# Altium PCB CryptUS_RevB_PCB.PcbDoc (part 1 of 3)
Units mil, origin at the board's own origin, x right, y up, seen from the top; angles counter-clockwise.
Board outline 3937.01 x 3937.01 mil, 8 copper layers (Top Layer, GND 1, Signal 1, GND 2, Signal 2, PWR, GND 3, Bottom Layer), stack 59.978 mil thick; 196 components, 53 nets, 984 pads, 1003 vias.
Unrouted connection lines stored in the file: 186.
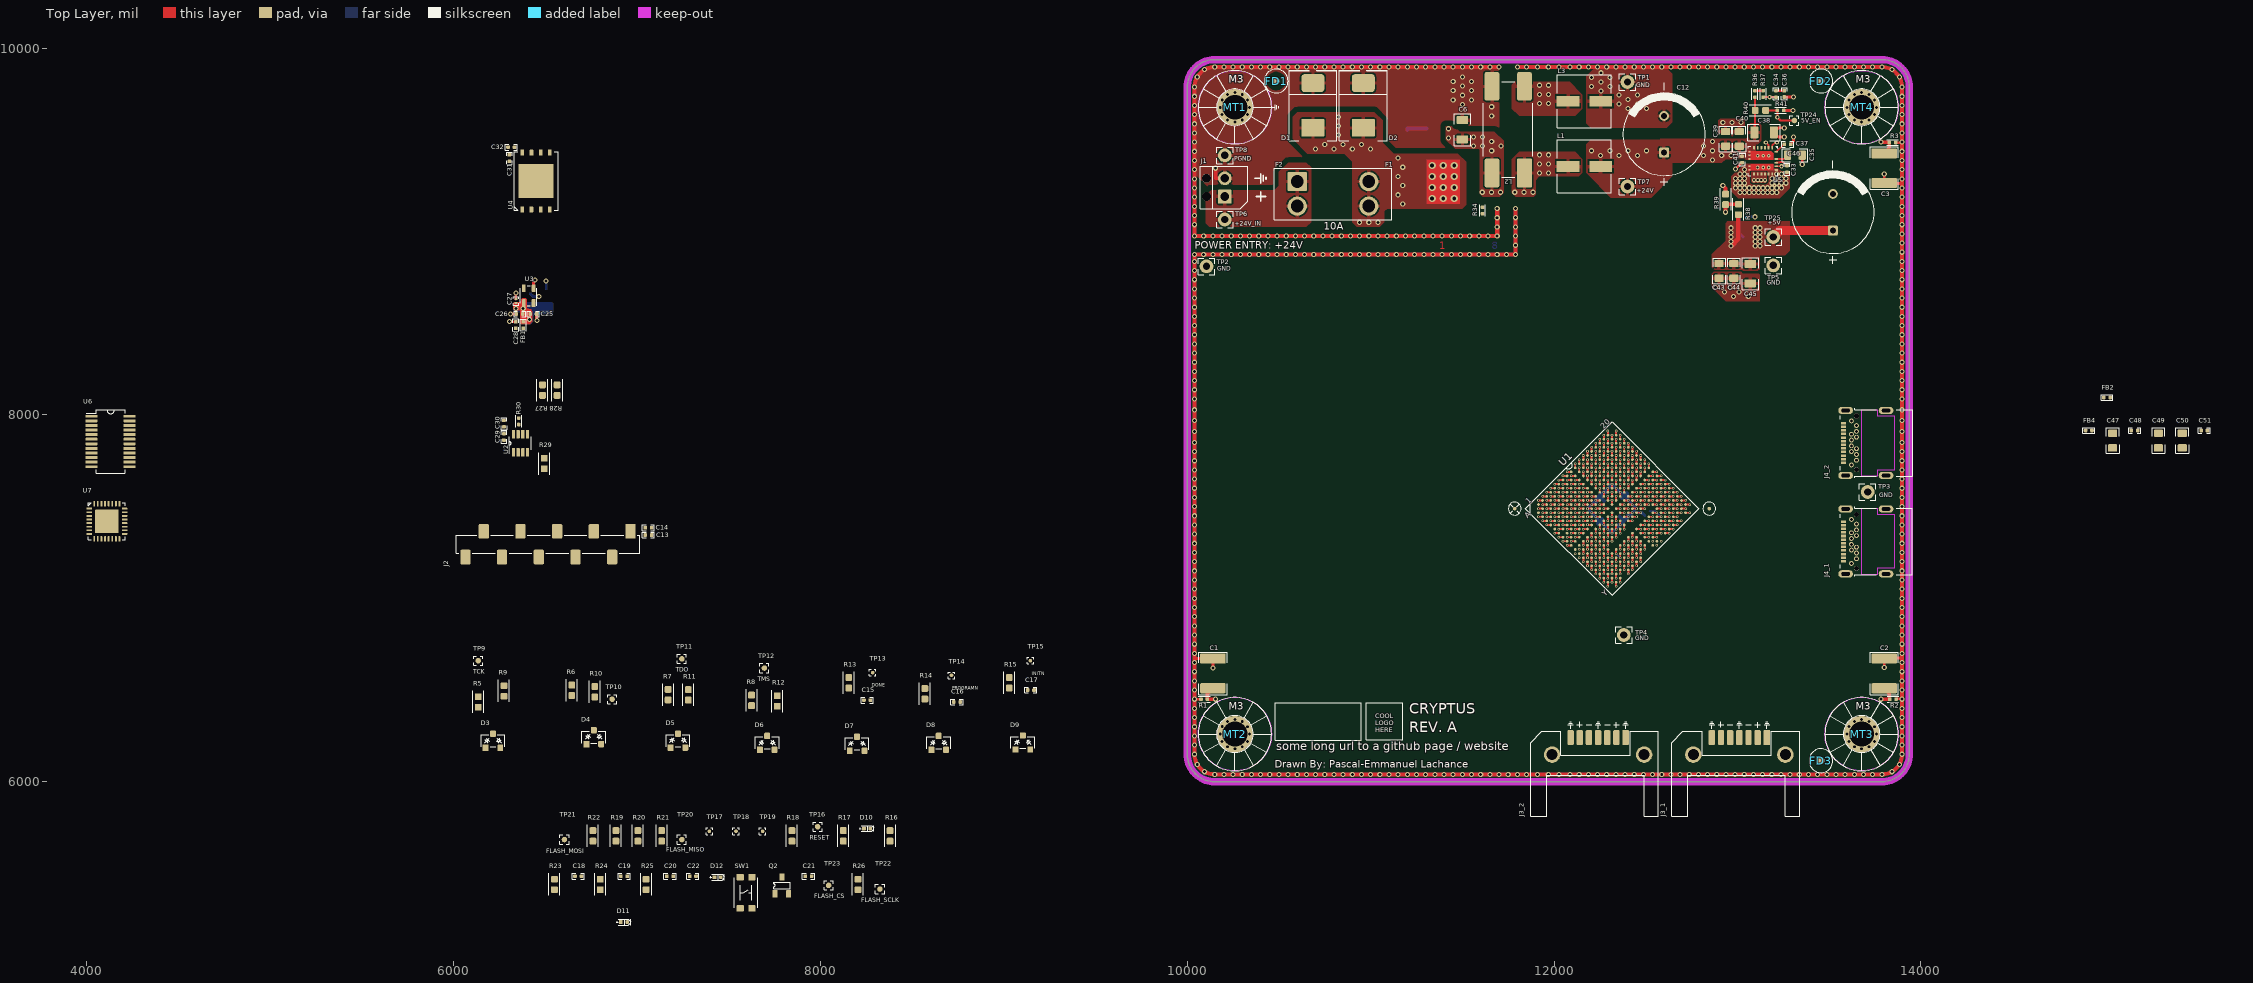
[diagram p0: Top Layer view]
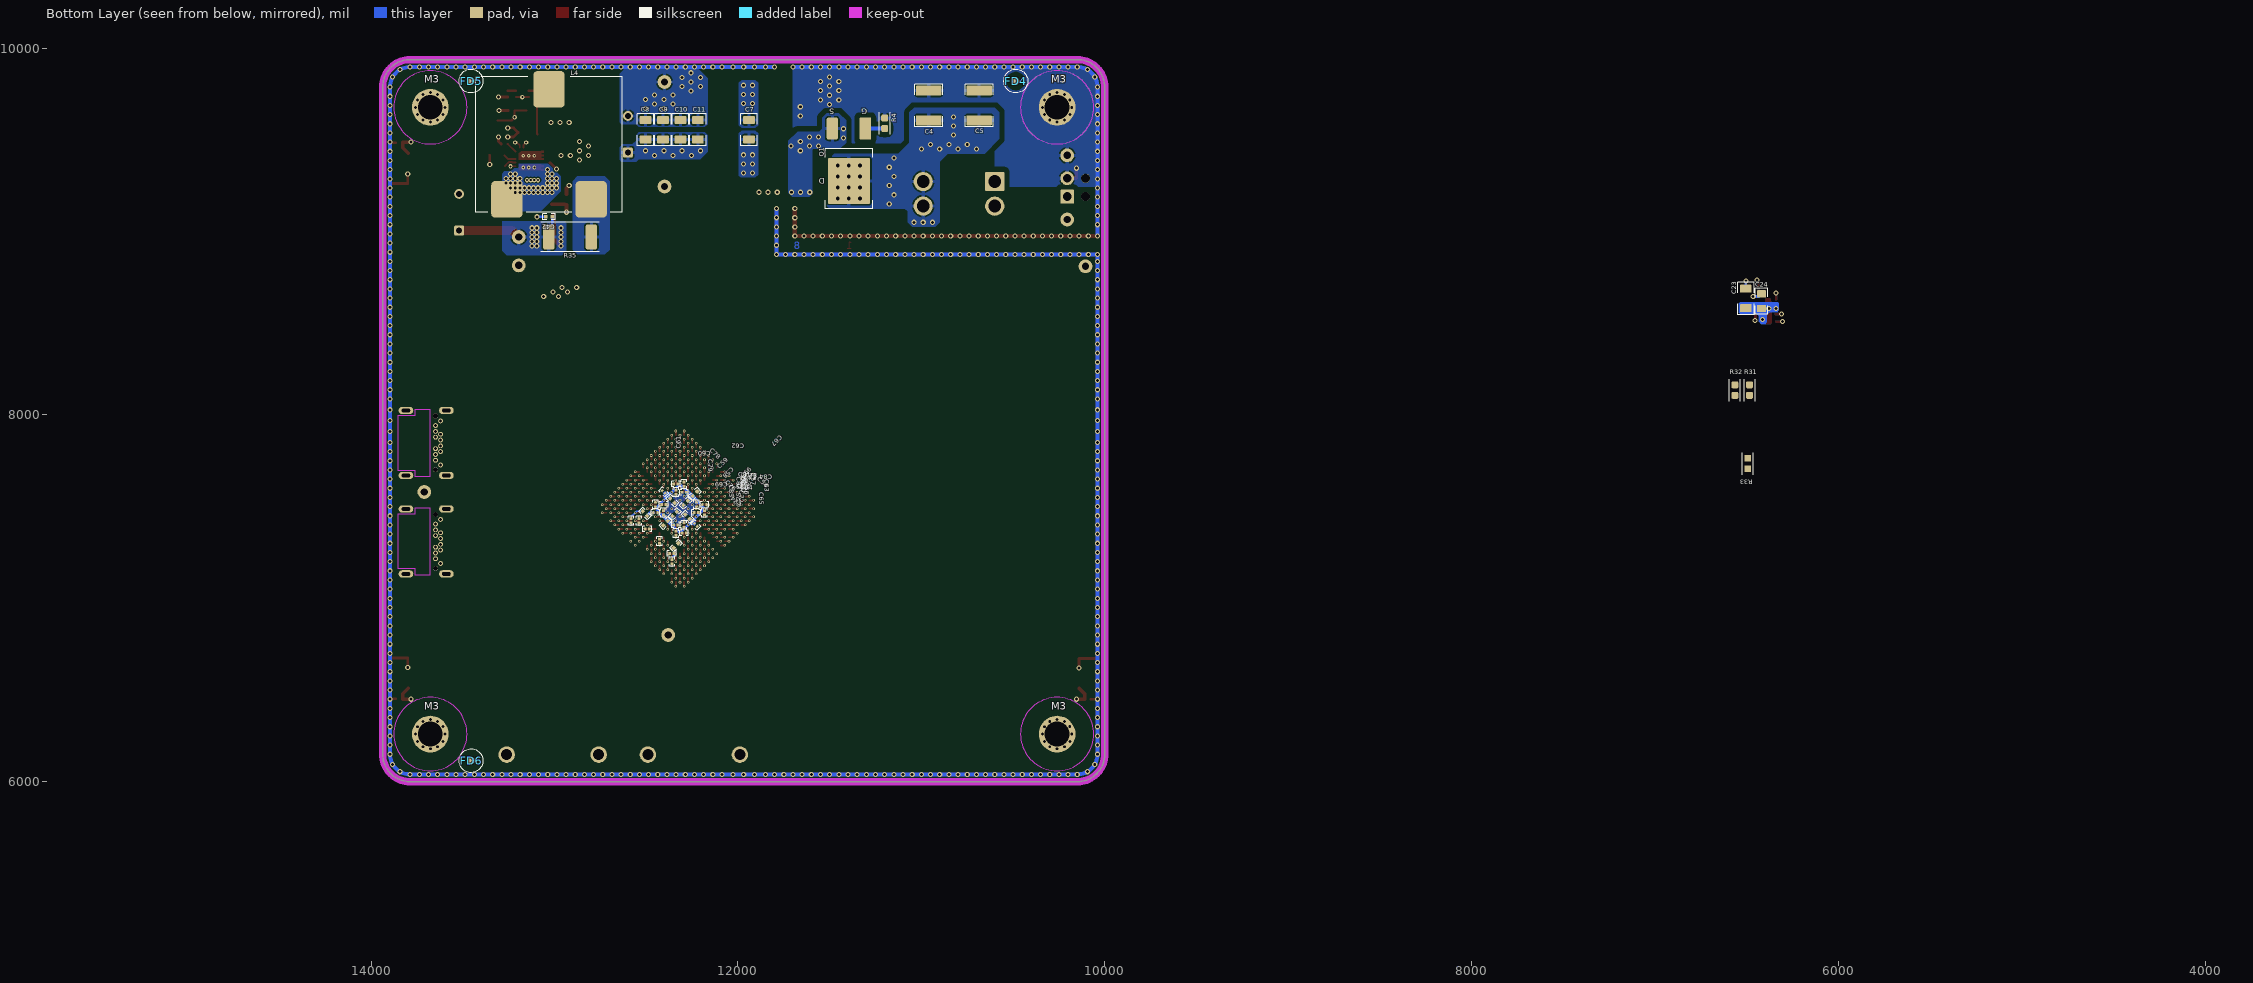
[diagram p1: Bottom Layer view, seen from below]
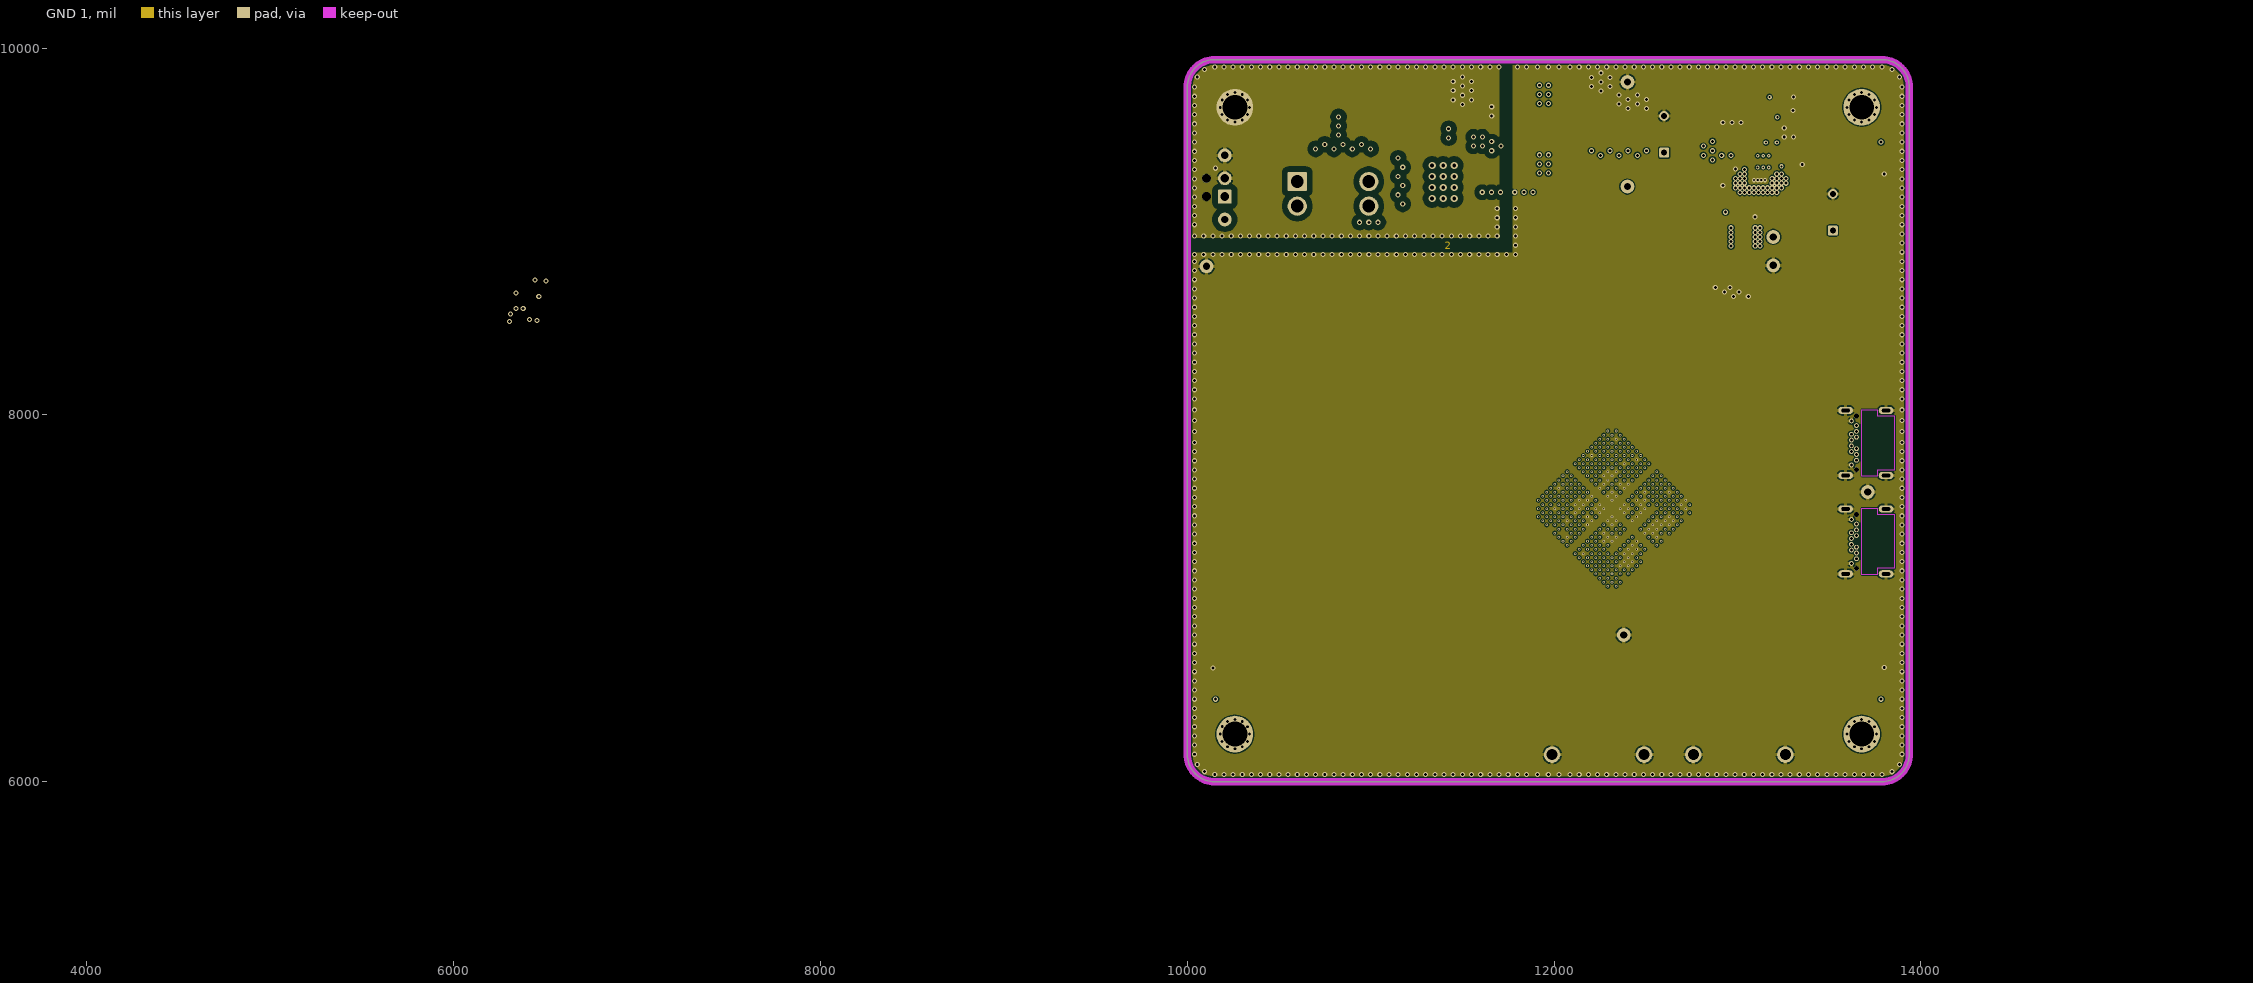
[diagram p2: GND 1]
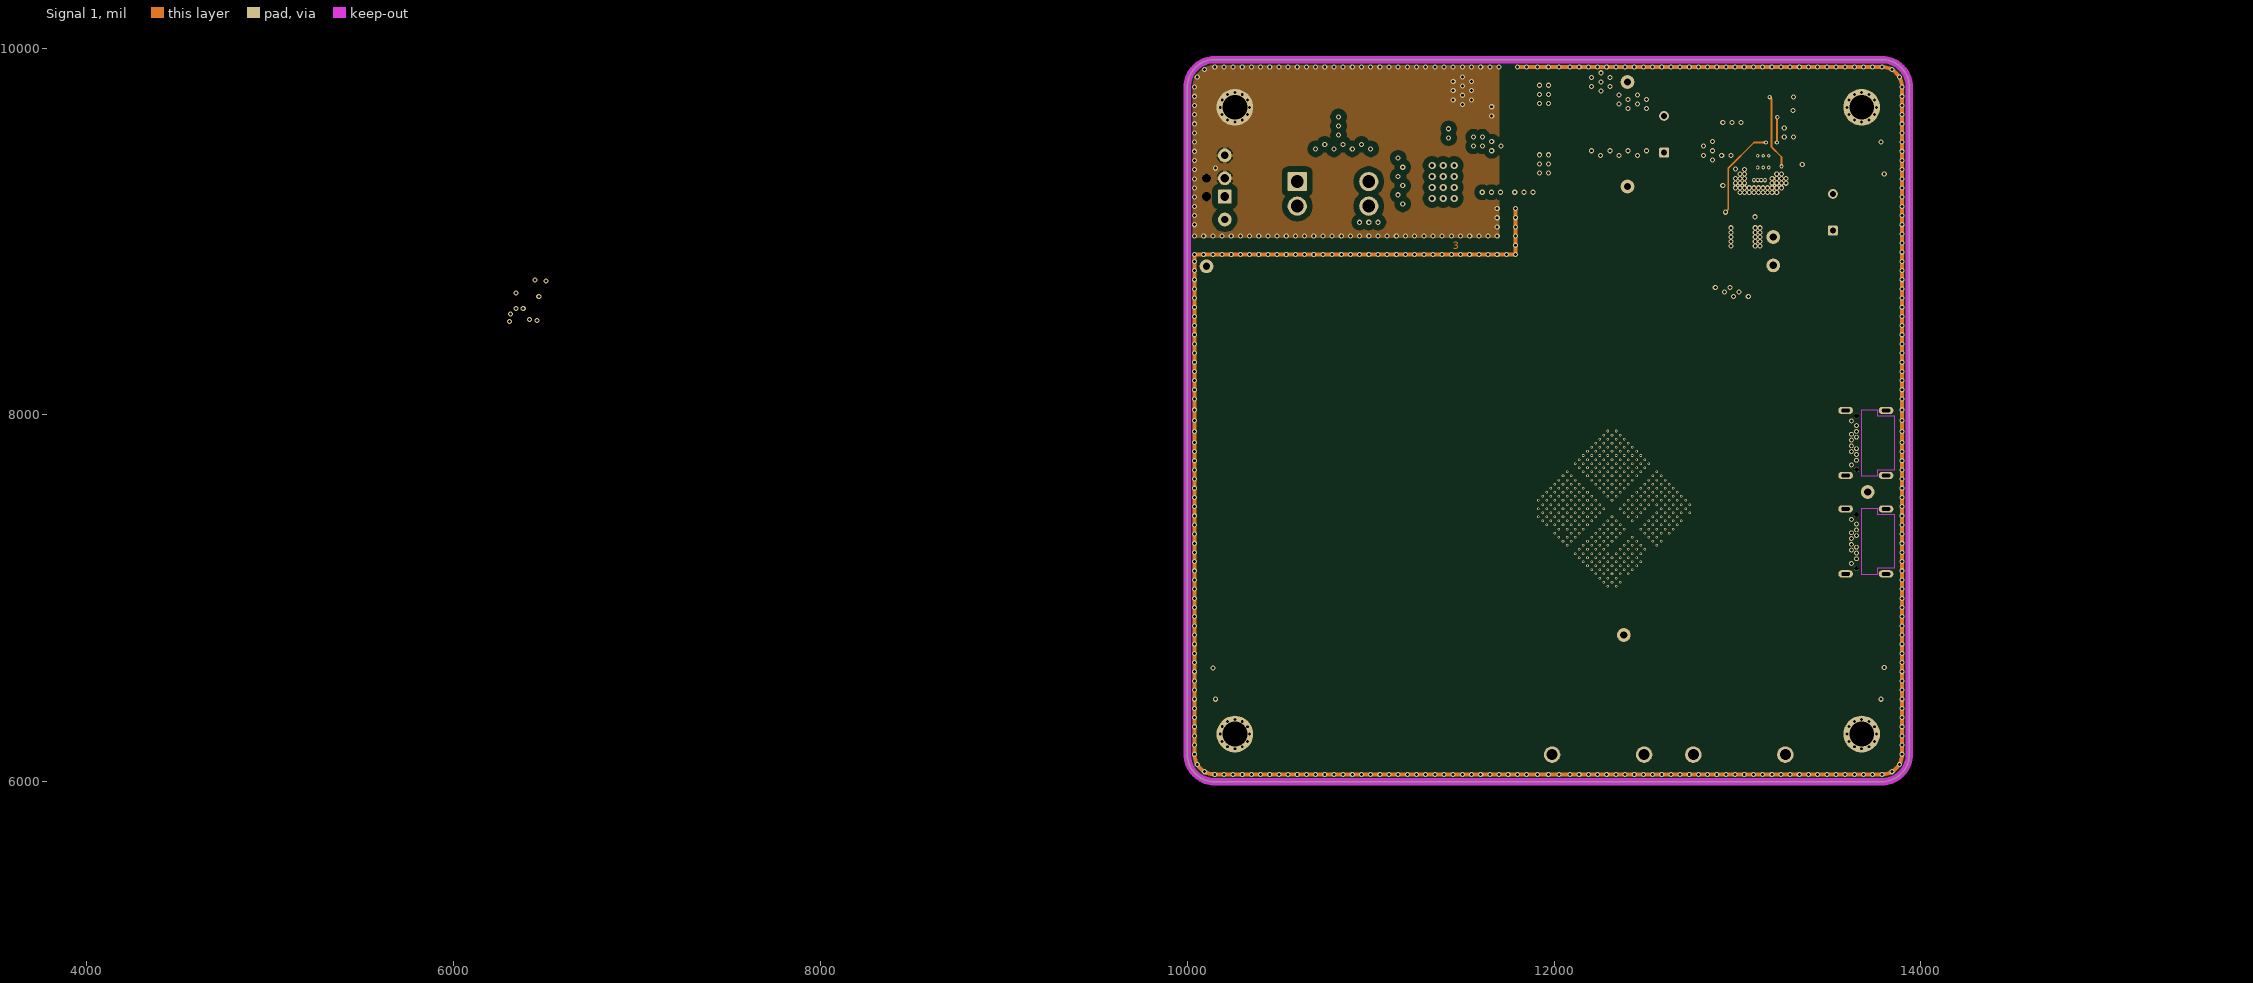
[diagram p3: Signal 1]
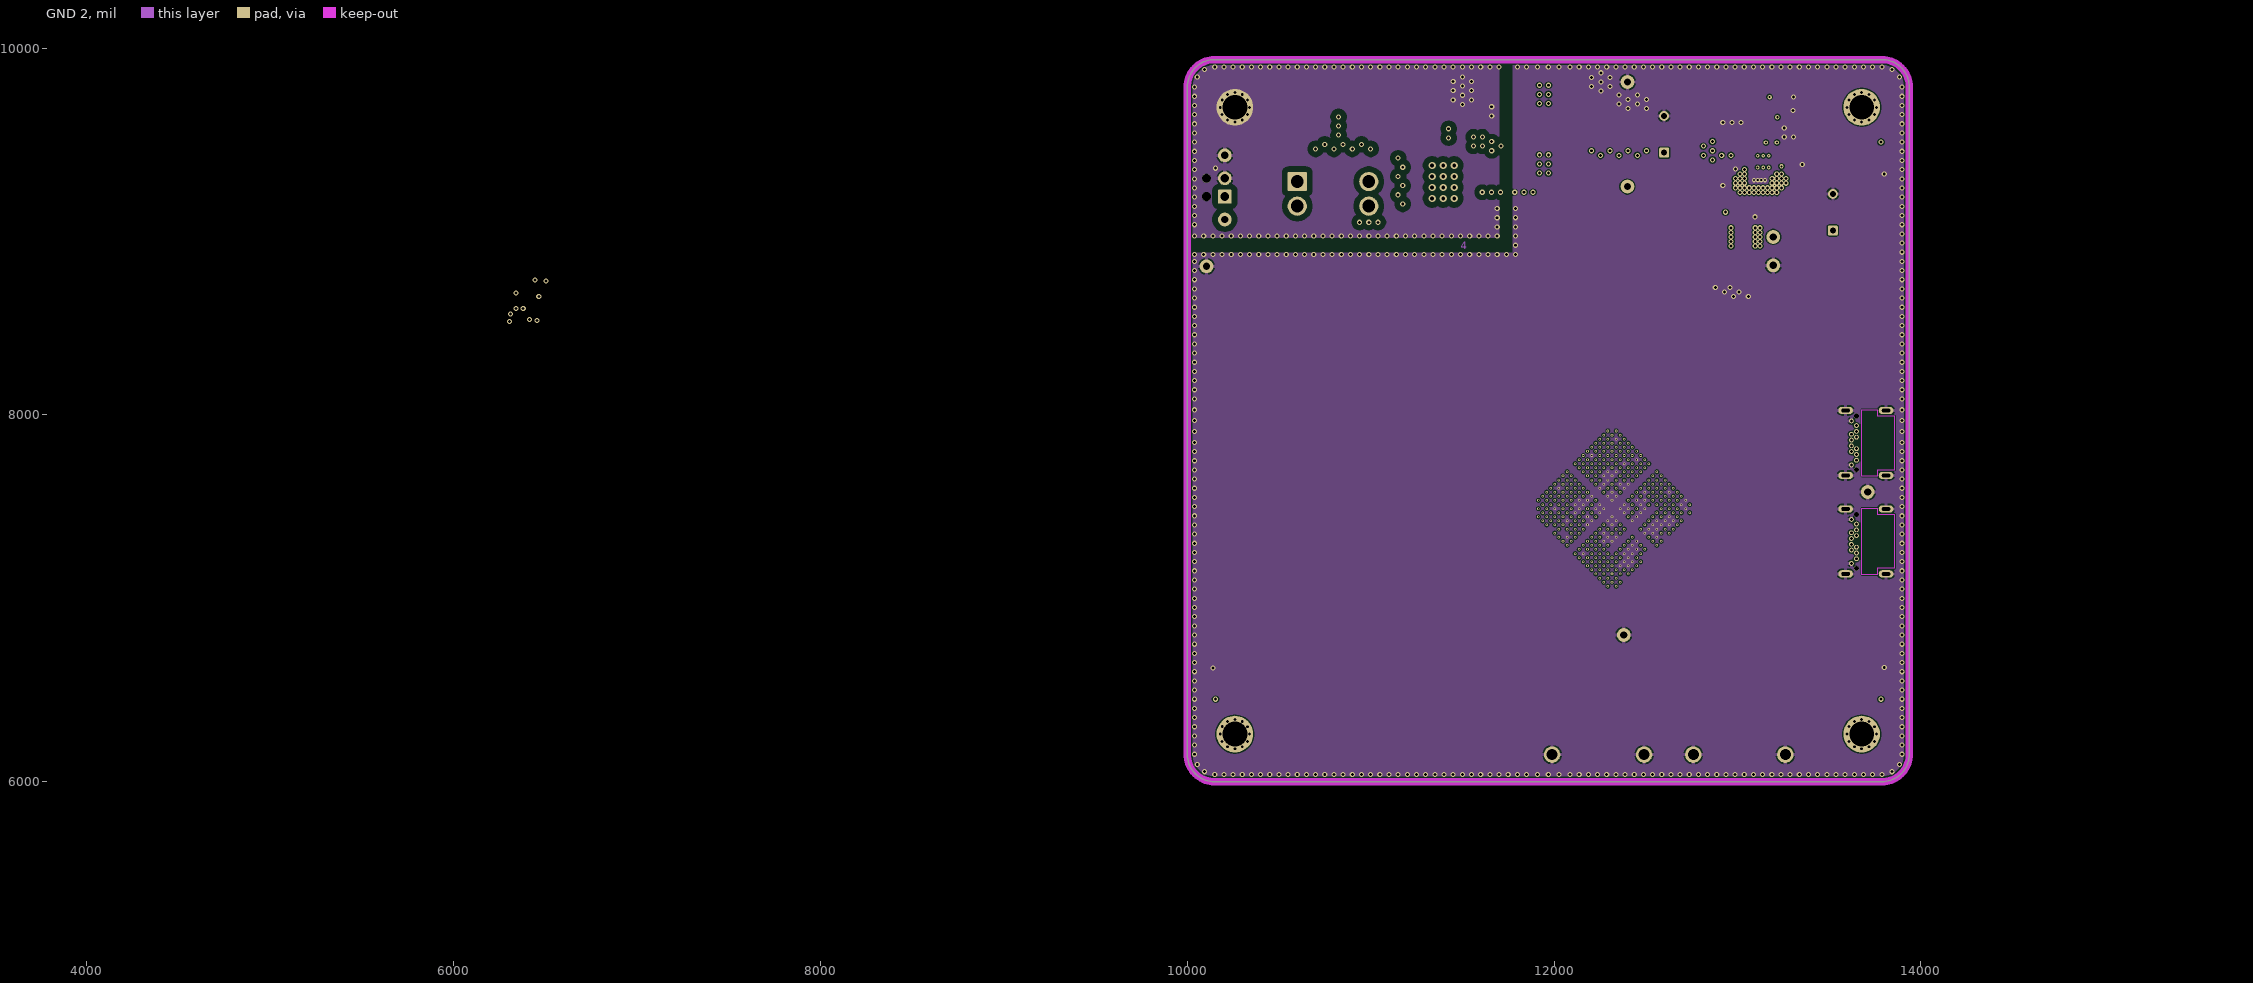
[diagram p4: GND 2]
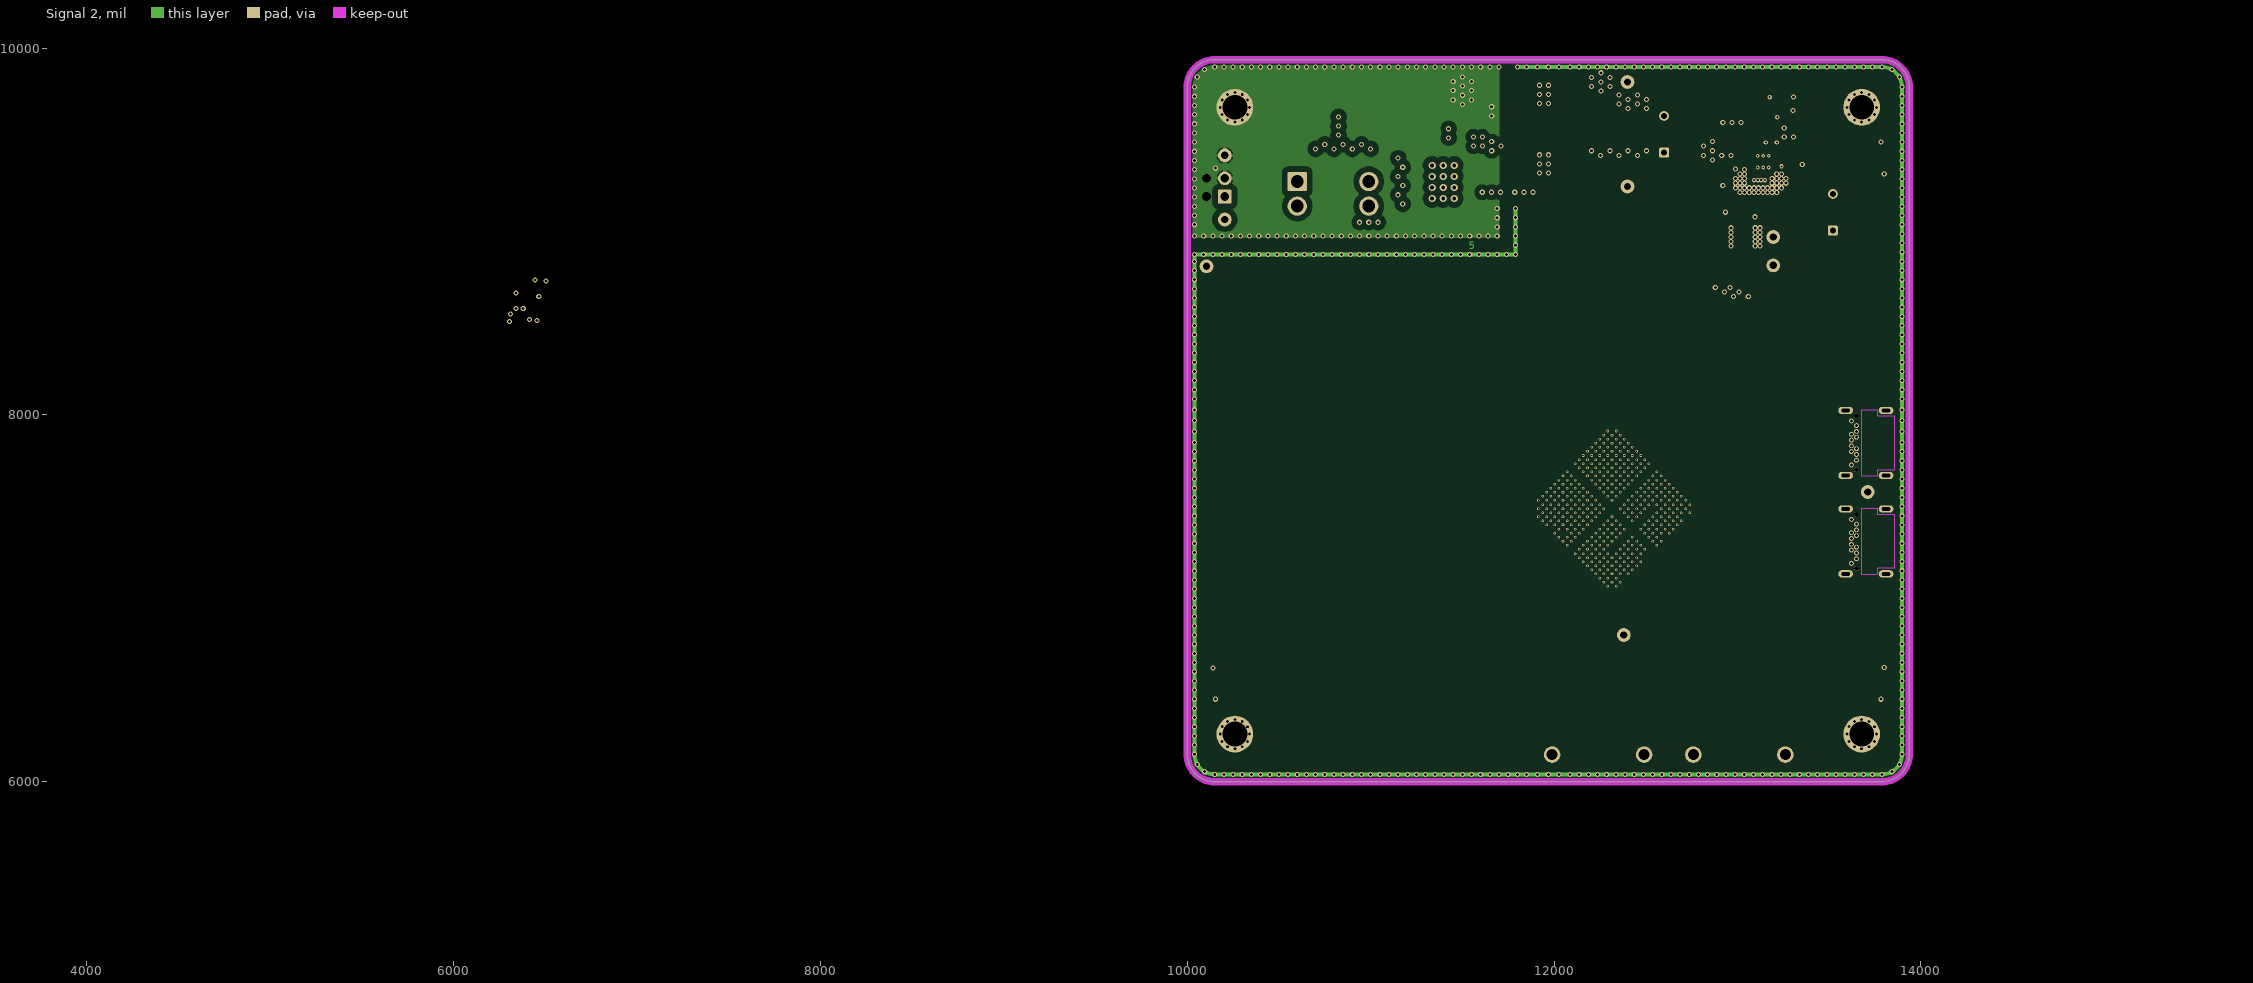
[diagram p5: Signal 2]
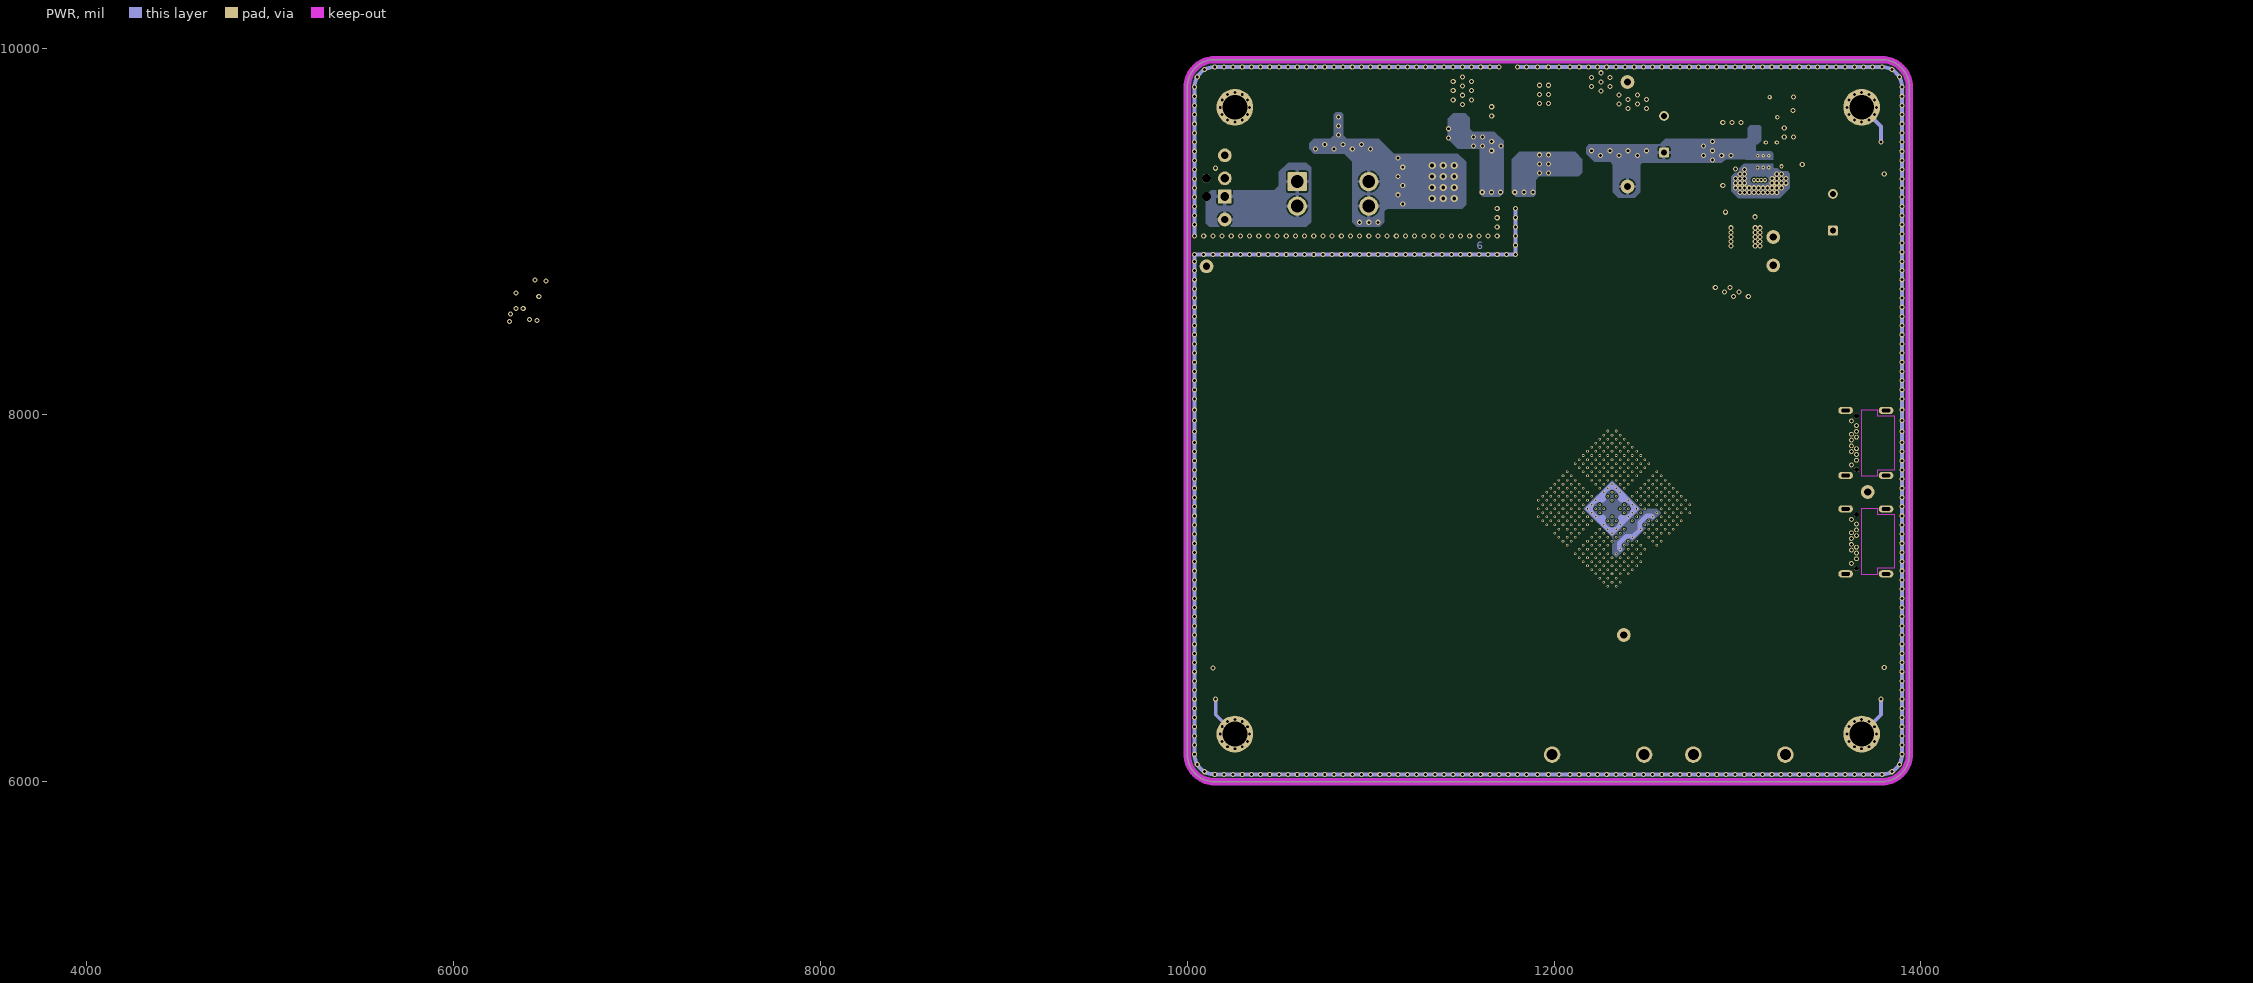
[diagram p6: PWR]